# Allegro board 6089-119-RevB_08.brd (continued)
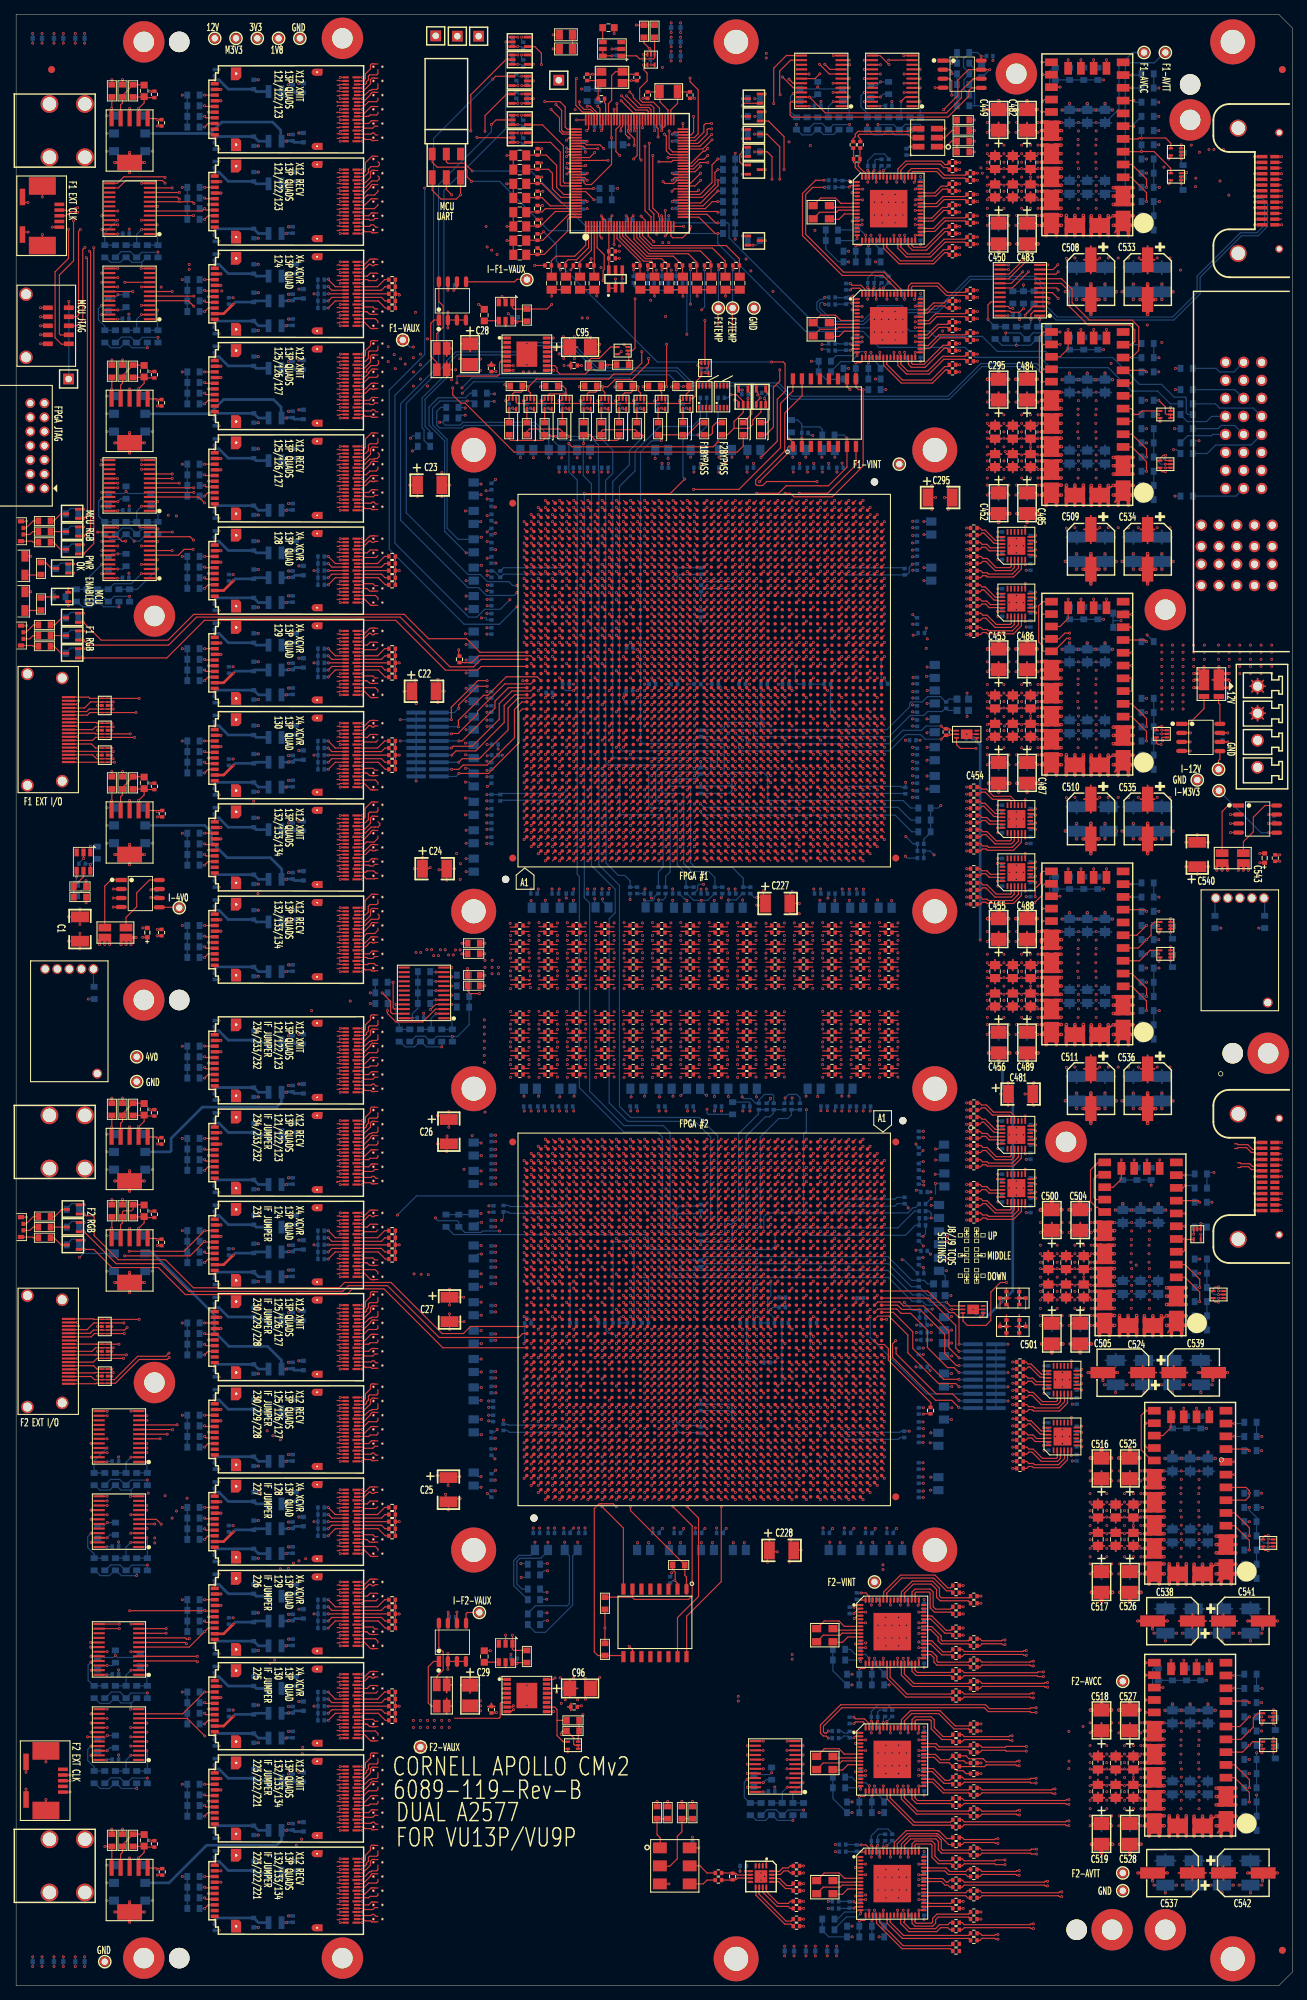
[diagram p0: board, top side]
## Routing (per net, layer and track width the routed paths; a pad name or vN(x,y) marks a point on that pad's centre or on a via; arc(x,y) is an arc through that point) (continued)
  SIG3 w0.083: v1(133.99,111.9) 133.99,112.06 133.8,112.25 127.85,112.25 123.29,107.69 90.69,107.69 90.61,107.6 v1(90.61,107.29)
AC_PF2R_R0_E: length 39.9
  TOP w0.165: U77.AA11 v1(102.39,109.29) ; C400.2 v1(133.99,121.4)
  SIG3 w0.083: v1(133.99,121.4) 133.99,121.71 133.91,121.8 132.9,121.8 123.81,112.71 103.11,112.71 103,112.6 103,110.01 102.68,109.69 102.47,109.69 102.39,109.6 v1(102.39,109.29)
AC_PF2R_R0_F: length 36.5
  TOP w0.165: C402.2 v1(133.99,119.4) ; U77.W11 v1(104.39,109.29)
  SIG3 w0.083: v1(104.39,109.29) 104.39,109.6 104.47,109.69 104.68,109.69 105,110.01 105,111.5 105.2,111.7 124.3,111.7 132.4,119.8 133.91,119.8 133.99,119.71 v1(133.99,119.4)
AC_PF2R_R0_I: length 28.8
  TOP w0.165: U77.N11 v1(110.39,109.29) ; C404.2 v1(133.99,117.4)
  SIG3 w0.083: v1(110.39,109.29) 110.39,109.6 110.47,109.69 123.79,109.69 131.9,117.8 133.91,117.8 133.99,117.71 v1(133.99,117.4)
AC_PF2R_R0_L: length 169.9
  TOP w0.165: U77.BD13 v1(78.61,107.29) ; C232.2 v1(111.01,13.4)
  SIG4 w0.083: v1(78.61,107.29) 78.61,107.6 78.69,107.69 78.81,107.69 79,107.49 79,97 79.3,96.7 122.9,96.7 126.29,93.31 126.29,67.86 131.75,62.4 131.75,14.45 125.25,7.95 115.8,7.95 110.46,13.29 110.46,13.71 110.54,13.8 110.92,13.8 111.01,13.71 v1(111.01,13.4)
AC_PF2R_R0_N: length 63.1
  TOP w0.165: U77.AY13 v1(82.61,107.29) ; C398.2 v1(133.99,123.4)
  SIG3 w0.083: v1(82.61,107.29) 82.61,107.6 82.69,107.69 82.89,107.69 83.2,107.99 83.2,113.45 83.45,113.7 123.3,113.7 133.4,123.8 133.91,123.8 133.99,123.71 v1(133.99,123.4)
AC_PF2R_R0_P: length 51.4
  TOP w0.165: U77.AT13 v1(86.61,107.29) ; C410.2 v1(133.99,109.9)
  SIG3 w0.083: v1(86.61,107.29) 86.61,107.6 86.69,107.69 86.81,107.69 87.04,107.45 87.04,107.06 87.41,106.69 124.09,106.69 127.7,110.3 133.95,110.3 133.99,110.26 v1(133.99,109.9)
AC_PF2R_R1_B: length 115.2
  TOP w0.165: U77.AL11 v1(91.61,109.29) ; v1(143.4,45.73) 143.06,45.73 142.94,45.61 136.15,45.61 135.86,45.9 C417.2
  SIG4 w0.083: v1(91.61,109.29) 91.61,109.6 91.69,109.69 91.81,109.69 91.99,109.5 91.99,103.01 92.3,102.7 125.4,102.7 132.29,95.81 132.29,76.06 144.29,64.06 144.29,46.05 143.74,45.5 143.63,45.5 v1(143.4,45.73)
AC_PF2R_R1_E: length 107.6
  TOP w0.165: v1(144.82,44.23) 144.06,44.23 143.94,44.11 133.65,44.11 133.36,44.4 C323.2 ; U77.Y13 v1(103.39,107.29)
  SIG4 w0.083: v1(103.39,107.29) 103.39,107.6 103.47,107.69 103.59,107.69 103.79,107.49 103.79,103.96 104.06,103.69 125.91,103.69 133.29,96.31 133.29,76.61 145.49,64.41 145.49,44.19 145.31,44.01 145.05,44.01 v1(144.82,44.23)
AC_PF2R_R1_I: length 100.2
  TOP w0.165: C419.2 135.86,42.9 136.15,42.61 144.94,42.61 145.06,42.73 v1(145.4,42.73) ; U77.M13 v1(111.39,107.29)
  SIG4 w0.083: v1(111.39,107.29) 111.39,107.6 111.47,107.69 111.59,107.69 111.79,107.49 111.79,105.01 112.11,104.69 126.41,104.69 134.29,96.81 134.29,77.76 146.54,65.51 146.54,42.94 146.11,42.5 145.63,42.5 v1(145.4,42.73)
AC_PF2R_R1_L: length 145.9
  TOP w0.165: v1(138.4,20.73) 138.06,20.73 137.94,20.61 133.65,20.61 133.36,20.9 C337.2 ; U77.BC11 v1(79.61,109.29)
  SIG4 w0.083: v1(138.4,20.73) 138.63,20.5 138.74,20.5 138.94,20.7 138.94,47.71 138.44,48.21 138.44,57.41 127.29,68.56 127.29,93.31 122.91,97.69 80.31,97.69 79.99,98.01 79.99,109.5 79.81,109.69 79.69,109.69 79.61,109.6 v1(79.61,109.29)
AC_PF2R_R1_N: length 113
  TOP w0.165: U77.AW11 v1(83.61,109.29) ; C415.2 135.86,48.9 136.15,48.61 138.94,48.61 139.06,48.73 v1(139.4,48.73)
  SIG4 w0.083: v1(83.61,109.29) 83.61,109.6 83.69,109.69 83.81,109.69 83.99,109.5 83.99,99.01 84.31,98.69 123.41,98.69 128.29,93.81 128.29,72.96 139.79,61.46 139.79,49.71 139.82,49.68 139.82,48.59 139.74,48.5 139.63,48.5 v1(139.4,48.73)
AC_PF2R_R1_P: length 118.1
  TOP w0.165: v1(142.4,47.23) 142.06,47.23 141.94,47.11 133.65,47.11 133.36,47.4 C321.2 ; U77.AR11 v1(87.61,109.29)
  SIG4 w0.083: v1(87.61,109.29) 87.61,109.6 87.69,109.69 88.92,109.69 89.04,109.56 89.04,109.55 89.03,109.53 89.03,109.05 89.04,109.04 89.04,102.06 89.44,101.66 122.96,101.66 123,101.7 124.9,101.7 131.24,95.36 131.24,75.31 142.72,63.83 142.72,47.4 142.82,47.31 142.82,47.08 142.74,47 142.63,47 v1(142.4,47.23)
AC_PF2R_X4_R0_CLK: length 28
  TOP w0.165: U77.N19 v1(110.39,101.29) ; C412.2 v1(133.99,107.9)
  SIG3 w0.083: v1(133.99,107.9) 133.99,107.91 133.6,108.3 132.9,108.3 126.29,101.69 110.47,101.69 110.39,101.6 v1(110.39,101.29)
AC_PF2R_X4_R0A: length 153.9
  TOP w0.165: C351.2 v1(135.51,252.4) ; U101.7 143.41,111.15 143.61,110.95 v1(143.71,110.95)
  SIG1 w0.083: v1(143.71,110.95) 143.7,111.21 143.78,111.3 143.9,111.3 144.45,111.3 145.76,112.61 145.76,167.06 148.75,170.05 148.75,174.8 148.06,175.49 148.06,194.94 147.51,195.49 147.51,208.99 146.26,210.24 146.26,245.04 140.04,251.26 136.59,251.26 136.36,251.49 136.36,251.8 136.15,252.01 135.71,252.01 135.71,252 135.59,252 135.51,252.09 v1(135.51,252.4)
  BOTTOM w0.165: R281.2 v1(143.71,110.95)
AC_PF2R_X4_R0B: length 124
  TOP w0.165: v1(143.68,112.95) 143.61,112.95 143.41,113.15 U101.11 ; C313.2 v1(133.01,228.4)
  SIG4 w0.083: v1(143.68,112.95) 143.68,113.21 143.6,113.3 141.8,113.3 137.75,117.35 137.75,155.2 133.24,159.71 133.24,225.91 132.19,226.96 132.19,227.72 132.42,227.95 133,227.95 133.01,227.96 v1(133.01,228.4)
  BOTTOM w0.165: R280.2 v1(143.68,112.95)
AC_PF2R_X12_R0_CLK: length 43
  TOP w0.165: U77.R18 v1(108.39,102.29) ; C406.2 v1(133.99,115.4)
  SIG3 w0.083: v1(108.39,102.29) 108.39,102.6 108.47,102.69 108.59,102.69 108.75,102.53 108.75,101.1 109.19,100.66 128.76,100.66 135.1,107 135.1,112.7 133.11,114.69 133.11,115.41 133.45,115.75 133.9,115.75 133.99,115.66 v1(133.99,115.4)
AC_PF2R_X12_R0A: length 134.3
  TOP w0.165: C305.2 v1(133.01,244.9) ; U100.7 143.41,118.65 143.61,118.45 v1(143.7,118.45)
  SIG1 w0.083: v1(133.01,244.9) 133.01,244.59 133.09,244.5 133.21,244.5 133.21,244.51 133.74,244.51 133.95,244.3 133.95,229.25 135.9,227.3 135.9,216.21 135.91,216.21 135.91,164.49 138.05,162.35 138.05,162.31 138.25,162.1 138.29,162.1 143,157.4 143,152.25 143.35,151.9 143.35,145.85 143.65,145.55 143.65,133 144.7,131.95 144.7,119.51 143.99,118.8 143.78,118.8 143.7,118.71 v1(143.7,118.45)
  BOTTOM w0.165: R279.2 v1(143.7,118.45)
AC_PF2R_X12_R0B: length 116.7
  TOP w0.165: v1(143.7,120.45) 143.61,120.45 143.41,120.65 U100.11 ; C363.2 v1(135.51,229.9)
  SIG4 w0.083: v1(143.7,120.45) 143.7,120.92 143.64,120.98 143.55,120.98 143.38,121.14 142.15,121.14 141.67,121.62 141.67,125.42 141.67,125.42 141.67,135.68 141.1,136.25 141.1,145 139.09,147.01 139.09,158.81 134.49,163.41 134.49,229.04 134.9,229.45 135.2,229.45 135.51,229.76 v1(135.51,229.9)
  BOTTOM w0.165: R278.2 v1(143.7,120.45)
AC_PHQ_CLK_IN: length 4.1
  TOP w0.165: v1(119.11,19.85) 119.8,19.85 120.25,19.4 U91.63
  BOTTOM w0.165: C837.2 118.45,19.9 R338.1 v1(119.11,19.85)
AC_PLHC_CLK_IN: length 4.4
  TOP w0.165: v1(117.98,238.09) 117.98,237.92 117.61,237.92 117.61,237.85 117.62,237.84 117.62,237.77 117.83,237.56 118.13,237.56 118.22,237.65 U87.1
  BOTTOM w0.165: v1(117.98,238.09) 117.24,238.09 R355.1 115.91,237.85 115.86,237.9 C848.2
AC_PNO_F2_TCDS40_CLK: length 34.2
  TOP w0.165: C425.2 v1(136.01,31.4) ; U89.1 118.41,53.65 v1(118.11,53.35)
  SIG1 w0.083: v1(136.01,31.4) 136.01,30.84 135.92,30.75 134.54,30.75 133.76,31.54 133.76,35.84 119.36,50.24 119.36,52.54 118.79,53.11 118.41,53.11 118.31,53 118.19,53 118.11,53.09 v1(118.11,53.35)
  BOTTOM w0.165: R350.1 v1(118.11,53.35)
AC_PR0_FP_CLK: length 3.2
  TOP w0.165: U87.14 117.86,231.15 117.83,231.12 v1(117.61,231.35)
  BOTTOM w0.165: v1(117.61,231.35) R356.1 115.91,231.35 115.86,231.4 C850.2
AC_PR0_OSC: length 4.6
  TOP w0.165: U86.64 119.25,255.25 118.29,256.21 118.29,256.7 118.05,256.94 R139.2 118.05,258.9 C261.2
AC_PR0A_FB: length 3.5
  TOP w0.165: v1(120.95,255.79) 120.75,255.59 U86.61
  BOTTOM w0.165: v1(120.95,255.79) R333.1 121.05,256.5 121.05,257.18 121.22,257.35 C811.2
AC_PR0B_FB: length 3.5
  TOP w0.165: v1(120.95,239.29) 120.75,239.09 U87.61
  BOTTOM w0.165: v1(120.95,239.29) R334.1 121.05,240 121.05,240.68 121.22,240.85 C812.2
AC_PR1_FP_CLK: length 3.2
  TOP w0.165: U91.14 118.31,11.65 v1(118.11,11.85)
  BOTTOM w0.165: C843.2 117.45,11.9 R353.1 v1(118.11,11.85)
AC_PR1A_FB: length 3.5
  TOP w0.165: v1(121.45,19.79) 121.25,19.59 U91.61
  BOTTOM w0.165: v1(121.45,19.79) R331.1 121.45,21.08 121.72,21.35 C810.2
AC_PR1B_FB: length 3.5
  TOP w0.165: v1(121.45,37.29) 121.25,37.09 U90.61
  BOTTOM w0.165: C809.2 121.72,38.85 121.45,38.58 R330.1 v1(121.45,37.29)
AC_PSYN_R0A_IN1: length 3.2
  TOP w0.165: U86.1 117.65,254.15 v1(117.45,254.35)
  BOTTOM w0.165: C846.2 116.45,254.4 R358.1 v1(117.45,254.35)
AC_PSYN_R0B_IN0: length 30.1
  TOP w0.165: v1(117.61,239.85) 117.85,239.61 119.09,239.61 119.75,238.95 U87.63 ; C297.2 v1(133.01,256.9)
  SIG2 w0.083: v1(117.61,239.85) 117.61,239.59 117.69,239.5 118.41,239.5 125,246.1 126.8,246.1 130.99,250.29 130.99,254.89 132.6,256.5 132.92,256.5 133.01,256.59 v1(133.01,256.9)
  BOTTOM w0.165: R354.1 v1(117.61,239.85)
AC_PSYN_R1B_IN0: length 40.7
  TOP w0.165: C437.2 v1(136.01,10.4) ; v1(118.11,37.85) 118.35,37.61 119.59,37.61 120.25,36.95 U90.63
  SIG1 w0.083: v1(136.01,10.4) 136.01,10.09 135.92,10 135.15,10 135.01,10.14 135.01,16.44 119.21,32.24 119.21,37.09 118.8,37.5 118.31,37.5 118.11,37.7 v1(118.11,37.85)
  BOTTOM w0.165: R351.1 v1(118.11,37.85)
AC_PSYN_R1C_IN0: length 59.3
  TOP w0.165: C343.2 v1(133.51,11.9) ; v1(119.11,55.35) 119.8,55.35 120.25,54.9 U89.63
  SIG1 w0.083: v1(119.11,55.35) 119.5,54.96 119.96,54.96 120.04,55.04 120.04,55.36 119.36,56.04 118.59,56.04 116.91,54.36 116.91,30.94 120.34,27.51 120.74,27.51 132.61,15.64 132.61,11.74 132.85,11.5 133.42,11.5 133.51,11.59 v1(133.51,11.9)
  BOTTOM w0.165: R337.1 v1(119.11,55.35)
AC_PUTIL: length 4.2
  TOP w0.165: U82.7 102.81,15.15 102.77,15.19 101.7,15.19 101.46,14.95 R135.2 100.95,14.9 C192.2
BC_NF1_TCDS_RECOV_CLK: length 193.4
  TOP w0.165: U75.BK26 v1(121.39,184.29) ; v1(143.79,39.17) 143.06,39.17 142.94,39.05 137.2,39.05 136.65,39.6 116.23,39.6 113.38,36.75 113.38,35.6 113.8,35.19 114.2,35.19 v1(114.49,34.9)
  SIG1 w0.083: v1(121.39,184.29) 121.08,184.29 121,184.37 121,184.49 121.15,184.64 122.75,184.64 125.79,181.6 125.79,134.71 131.62,128.88 131.62,125.52 131.29,125.19 131.29,106.31 132.29,105.31 132.29,73.46 143.79,61.96 143.79,40.3 144.37,39.72 144.37,39.02 144.29,38.94 144.02,38.94 v1(143.79,39.17)
  BOTTOM w0.165: C842.1 v1(114.49,34.9)
BC_NF1L_R0_1: length 7.6
  TOP w0.165: C371.1 135.95,199.4 136.25,199.1 136.89,199.1 137.07,198.92 140.43,198.92 141.29,199.78 141.29,200.22 141.25,200.26 U96.4
BC_NF1L_R0_2: length 6.5
  TOP w0.165: U96.2 140.25,200.26 140.29,200.22 140.29,199.99 140.13,199.82 138.17,199.82 136.87,201.12 136.28,201.12 136,201.4 C369.1
BC_NF1L_R0_3: length 3.9
  TOP w0.165: C367.1 135.86,203.4 136.15,203.11 136.84,203.11 137.34,202.61 138.32,202.61 138.36,202.65 U96.22
BC_NF1L_R0_4: length 4.3
  TOP w0.165: C365.1 135.86,205.4 136.15,205.11 136.59,205.11 138.03,203.67 138.43,203.67 138.45,203.65 U96.20
BC_NF1L_R0_5: length 7.6
  TOP w0.165: U97.4 141.25,192.26 141.29,192.22 141.29,191.78 140.43,190.92 137.07,190.92 136.89,191.1 136.25,191.1 135.95,191.4 C379.1
BC_NF1L_R0_6: length 6.5
  TOP w0.165: U97.2 140.25,192.26 140.29,192.22 140.29,191.99 140.13,191.82 138.17,191.82 136.87,193.12 136.28,193.12 136,193.4 C377.1
BC_NF1L_R0_7: length 3.9
  TOP w0.165: U97.22 138.36,194.65 138.32,194.61 137.34,194.61 136.84,195.11 136.15,195.11 135.86,195.4 C375.1
BC_NF1L_R0_8: length 4.3
  TOP w0.165: C373.1 135.86,197.4 136.15,197.11 136.59,197.11 138.03,195.67 138.43,195.67 138.45,195.65 U97.20
BC_NF1R_R0_1: length 7.6
  TOP w0.165: C389.1 135.95,160.9 136.25,160.6 136.89,160.6 137.07,160.42 140.43,160.42 141.29,161.28 141.29,161.72 141.25,161.76 U98.4
BC_NF1R_R0_2: length 6.5
  TOP w0.165: U98.2 140.25,161.76 140.29,161.72 140.29,161.49 140.13,161.32 138.17,161.32 136.87,162.62 136.28,162.62 136,162.9 C387.1
BC_NF1R_R0_3: length 3.9
  TOP w0.165: U98.22 138.36,164.15 138.32,164.11 137.34,164.11 136.84,164.61 136.15,164.61 135.86,164.9 C385.1
BC_NF1R_R0_4: length 4.3
  TOP w0.165: C383.1 135.86,166.9 136.15,166.61 136.59,166.61 138.03,165.17 138.43,165.17 138.45,165.15 U98.20
BC_NF1R_R0_5: length 6.8
  TOP w0.165: C381.1 135.8,168.9 136.09,168.61 136.78,168.61 137.79,167.6 140.19,167.6 140.75,167.04 U98.16
BC_NF1R_R0_6: length 7.6
  TOP w0.165: C395.1 135.95,153.4 136.25,153.1 136.89,153.1 137.07,152.92 140.43,152.92 141.29,153.78 141.29,154.22 141.25,154.26 U99.4
BC_NF1R_R0_7: length 6.5
  TOP w0.165: U99.2 140.25,154.26 140.29,154.22 140.29,153.99 140.13,153.82 138.17,153.82 136.87,155.12 136.28,155.12 136,155.4 C393.1
BC_NF1R_R0_8: length 3.9
  TOP w0.165: C391.1 135.86,157.4 136.15,157.11 136.84,157.11 137.34,156.61 138.32,156.61 138.36,156.65 U99.22
BC_NF2L_R0_1: length 7.6
  TOP w0.165: U103.4 147.75,82.76 147.79,82.72 147.79,82.28 146.93,81.42 143.57,81.42 143.39,81.6 142.75,81.6 142.45,81.9 C471.1
BC_NF2L_R0_2: length 6.5
  TOP w0.165: C469.1 142.5,83.9 142.78,83.62 143.37,83.62 144.67,82.32 146.63,82.32 146.79,82.49 146.79,82.72 146.75,82.76 U103.2
BC_NF2L_R0_3: length 3.9
  TOP w0.165: U103.22 144.86,85.15 144.82,85.11 143.84,85.11 143.34,85.61 142.65,85.61 142.36,85.9 C467.1
BC_NF2L_R0_4: length 4.3
  TOP w0.165: U103.20 144.95,86.15 144.93,86.17 144.53,86.17 143.09,87.61 142.65,87.61 142.36,87.9 C465.1
BC_NF2L_R0_5: length 7.6
  TOP w0.165: U104.4 147.75,74.76 147.79,74.72 147.79,74.28 146.93,73.42 143.57,73.42 143.39,73.6 142.75,73.6 142.45,73.9 C479.1
BC_NF2L_R0_6: length 6.5
  TOP w0.165: C477.1 142.5,75.9 142.78,75.62 143.37,75.62 144.67,74.32 146.63,74.32 146.79,74.49 146.79,74.72 146.75,74.76 U104.2
BC_NF2L_R0_7: length 3.9
  TOP w0.165: U104.22 144.86,77.15 144.82,77.11 143.84,77.11 143.34,77.61 142.65,77.61 142.36,77.9 C475.1
BC_NF2L_R0_8: length 4.3
  TOP w0.165: U104.20 144.95,78.15 144.93,78.17 144.53,78.17 143.09,79.61 142.65,79.61 142.36,79.9 C473.1
BC_NF2R_R0_1: length 7.6
  TOP w0.165: U100.4 141.25,117.26 141.29,117.22 141.29,116.78 140.43,115.92 137.07,115.92 136.89,116.1 136.25,116.1 135.95,116.4 C405.1
BC_NF2R_R0_2: length 6.5
  TOP w0.165: U100.2 140.25,117.26 140.29,117.22 140.29,116.99 140.13,116.82 138.17,116.82 136.87,118.12 136.28,118.12 136,118.4 C403.1
BC_NF2R_R0_3: length 3.9
  TOP w0.165: C401.1 135.86,120.4 136.15,120.11 136.84,120.11 137.34,119.61 138.32,119.61 138.36,119.65 U100.22
BC_NF2R_R0_4: length 4.3
  TOP w0.165: U100.20 138.45,120.65 138.43,120.67 138.03,120.67 136.59,122.11 136.15,122.11 135.86,122.4 C399.1
BC_NF2R_R0_5: length 6.8
  TOP w0.165: C397.1 135.8,124.4 136.09,124.11 136.78,124.11 137.79,123.1 140.19,123.1 140.75,122.54 U100.16
BC_NF2R_R0_6: length 7.6
  TOP w0.165: U101.4 141.25,109.76 141.29,109.72 141.29,109.28 140.43,108.42 137.07,108.42 136.89,108.6 136.25,108.6 135.95,108.9 C411.1
BC_NF2R_R0_7: length 6.5
  TOP w0.165: U101.2 140.25,109.76 140.29,109.72 140.29,109.49 140.13,109.32 138.17,109.32 136.87,110.62 136.28,110.62 136,110.9 C409.1
BC_NF2R_R0_8: length 3.9
  TOP w0.165: U101.22 138.36,112.15 138.32,112.11 137.34,112.11 136.84,112.61 136.15,112.61 135.86,112.9 C407.1
BC_NHQ_CLK_IN: length 314.4
  TOP w0.165: P2.17 v1(178.38,251.32)
  SIG2 w0.083: v1(178.38,251.32) 178.38,251.54 178.47,251.62 178.58,251.62 178.84,251.36 178.84,243.54 172.16,236.86 170.86,236.86 164.12,230.12 164.12,191.02 163.45,190.35 163.45,60.05 163.05,59.65 163.05,49.92 163.04,49.92 163.04,47.11 163.55,46.6 163.55,25.3 163.1,24.85 163.1,22.55 158.71,18.16 147.16,18.16 136.86,7.86 110.84,7.86 109.41,9.29 109.41,17.26 111.49,19.34 115.15,19.34 115.49,19 v1(115.49,18.9)
  BOTTOM w0.165: C838.1 v1(115.49,18.9)
BC_NLHC_CLK_IN: length 84.9
  TOP w0.165: P2.18 v1(174.58,251.32)
  BOTTOM w0.165: C849.1 v1(113.99,236.9) 113.7,237.19 113.47,237.19 113.3,237.03 113.3,236.37 115.16,234.52 119.33,234.52 121.53,236.72 124.87,236.72 125.42,236.17 126.87,236.17 126.93,236.23 129.79,236.23 134.43,240.87 143.67,240.87 145.17,239.37 145.17,236.97 145.19,236.96 145.19,236.71 146.77,235.13 163.04,235.13 166.48,238.57 166.48,240.9 172.58,247 174.91,247 175.98,248.07 175.98,250.97 175.52,251.43 174.68,251.43 v1(174.58,251.32)
BC_NR0_FP_CLK: length 158.7
  TOP w0.165: J2.2 6.96,250.2 7.15,250.01 7.23,250.01 7.64,250.42 8.21,250.42 8.33,250.54 v1(8.67,250.54)
  SIG2 w0.083: v1(113.6,230.59) 113.85,230.84 114.29,230.84 114.51,231.05 114.51,231.34 110.7,235.15 110.7,267.95 106.59,272.06 105.98,272.06 v1(105.75,272.28)
  SIG3 w0.083: v1(105.75,272.28) 105.52,272.06 104.96,272.06 104.68,271.78 88.59,271.78 88.21,271.4 67.45,271.4 66.64,272.21 28.37,272.21 9.69,253.53 9.69,250.99 9.02,250.31 8.9,250.31 v1(8.67,250.54)
  BOTTOM w0.165: v1(113.6,230.59) 114.36,230.59 C851.1
BC_NR0_OSC: length 9.7
  TOP w0.165: U92.5 126.19,260.4 125.71,260.88 118.87,260.88 118.71,260.72 118.71,260.55 119,260.26 C262.1
BC_NR0A_0: length 12.1
  TOP w0.165: U86.23 122.25,245.26 122.29,245.22 122.29,244.81 124.47,242.63 129.33,242.63 130.9,244.2 131.25,244.2 C306.1
BC_NR0A_1: length 12.4
  TOP w0.165: U86.27 124.25,245.26 124.29,245.22 124.29,244.81 125.5,243.6 128.89,243.6 130.97,245.68 133.77,245.68 C356.1
BC_NR0A_2: length 8.1
  TOP w0.165: C304.1 131.27,247.18 130.97,247.18 128.34,244.55 126.34,244.55 125.79,245.1 125.79,245.22 125.75,245.26 U86.30
BC_NR0A_3: length 7.4
  TOP w0.165: U86.34 128.14,247.15 128.18,247.19 129.49,247.19 130.98,248.68 133.77,248.68 C354.1
BC_NR0A_4: length 4.8
  TOP w0.165: C302.1 131.3,250.15 130.75,250.15 129.25,248.65 U86.37
BC_NR0A_5: length 7.1
  TOP w0.165: C352.1 133.77,251.68 130.83,251.68 129.84,250.69 128.18,250.69 128.14,250.65 U86.41
BC_NR0A_6: length 4.6
  TOP w0.165: C300.1 131.3,253.15 130.6,253.15 129.64,252.19 128.18,252.19 128.14,252.15 U86.44
BC_NR0A_7: length 9
  TOP w0.165: U86.50 126.25,255.51 126.37,255.63 129.77,255.63 130.7,254.7 133.75,254.7 C350.1
BC_NR0A_8: length 8.5
  TOP w0.165: C298.1 131.27,256.18 130.77,256.18 130.27,256.68 125.58,256.68 124.71,255.81 124.71,255.58 124.75,255.54 U86.53
BC_NR0A_FB: length 1.9
  TOP w0.165: U86.58 v1(122.25,255.75)
  BOTTOM w0.165: v1(122.25,255.75) 122.95,256.45 C806.1
BC_NR0B_1: length 12.3
  TOP w0.165: C314.1 131.25,227.7 131.04,227.7 129.17,225.83 124.77,225.83 122.29,228.31 122.29,228.72 122.25,228.76 U87.23
BC_NR0B_2: length 12.4
  TOP w0.165: C364.1 133.77,229.18 130.78,229.18 128.7,227.1 125.5,227.1 124.29,228.31 124.29,228.72 124.25,228.76 U87.27
BC_NR0B_3: length 8.2
  TOP w0.165: C312.1 131.22,230.73 130.83,230.73 128.15,228.05 126.2,228.05 125.79,228.46 125.79,228.72 125.75,228.76 U87.30
BC_NR0B_4: length 7.4
  TOP w0.165: U87.34 128.14,230.65 128.18,230.69 128.74,230.69 130.25,232.2 133.75,232.2 C362.1
BC_NR0B_5: length 4.9
  TOP w0.165: C310.1 131.27,233.68 130.08,233.68 128.59,232.19 128.18,232.19 128.14,232.15 U87.37
BC_NR0B_6: length 7.1
  TOP w0.165: C360.1 133.77,235.18 129.78,235.18 128.79,234.19 128.18,234.19 128.14,234.15 U87.41
BC_NR0B_7: length 4.7
  TOP w0.165: U87.44 128.14,235.65 128.18,235.69 128.49,235.69 129.49,236.69 130.85,236.69 131.14,236.4 C308.1
BC_NR0B_8: length 9.5
  TOP w0.165: U87.50 126.25,239.04 126.21,239.08 126.21,239.31 126.37,239.48 129.83,239.48 131.13,238.18 133.77,238.18 C358.1
BC_NR0B_FB: length 1.9
  TOP w0.165: U87.58 v1(122.25,239.25)
  BOTTOM w0.165: v1(122.25,239.25) 122.95,239.95 C807.1
BC_NR1_FP_CLK: length 124
  TOP w0.165: J3.2 v1(7.6,29.7)
  SIG3 w0.083: v1(7.6,29.7) 7.6,29.49 7.52,29.4 7.05,29.4 6.65,29 6.65,26.3 26.45,6.5 105.65,6.5 109.35,10.2 111.25,10.2 112.35,11.3 114.41,11.3 114.49,11.21 v1(114.49,10.9)
  BOTTOM w0.165: C844.1 v1(114.49,10.9)
BC_NR1A_0: length 13.9
  TOP w0.165: C440.1 134.27,6.68 124.92,6.68 122.79,8.81 122.79,9.22 122.75,9.26 U91.23
BC_NR1A_1: length 9.4
  TOP w0.165: C346.1 131.64,7.9 131.35,8.19 130.33,8.19 129.77,7.63 125.83,7.63 124.68,8.78 124.68,9.88 U91.27
BC_NR1A_2: length 10.5
  TOP w0.165: U91.30 126.25,9.26 126.29,9.22 126.29,8.81 126.7,8.4 129.21,8.4 129.62,8.81 129.62,9.33 129.97,9.68 134.27,9.68 C438.1
BC_NR1A_3: length 4.2
  TOP w0.165: C344.1 131.76,11.19 128.68,11.19 128.64,11.15 U91.34
BC_NR1A_4: length 6.7
  TOP w0.165: C436.1 134.14,12.4 133.85,12.69 128.68,12.69 128.64,12.65 U91.37
BC_NR1A_5: length 4.4
  TOP w0.165: C342.1 131.64,13.9 131.35,14.19 130.94,14.19 130.44,14.69 128.68,14.69 128.64,14.65 U91.41
BC_NR1A_6: length 6.9
  TOP w0.165: U91.44 128.64,16.15 128.68,16.19 130.91,16.19 131.41,15.69 133.85,15.69 134.14,15.4 C434.1
BC_NR1A_7: length 8.7
  TOP w0.165: C340.1 131.75,17.2 130,17.2 129.1,18.1 129.1,19.81 128.93,19.98 126.87,19.98 126.71,19.81 126.71,19.58 126.75,19.54 U91.50
BC_NR1A_8: length 12.3
  TOP w0.165: C432.1 134.25,18.7 130.45,18.7 130,19.15 130,20.35 129.65,20.7 126.1,20.7 125.21,19.81 125.21,19.58 125.25,19.54 U91.53
BC_NR1A_9: length 10.2
  TOP w0.165: U91.55 124.25,19.54 124.21,19.58 124.21,20.02 125.62,21.43 129.78,21.43 129.8,21.41 129.94,21.41 130.9,20.45 131.46,19.9 C338.1
BC_NR1A_10: length 13.5
  TOP w0.165: C348.1 131.72,5.23 124.87,5.23 121.29,8.81 121.29,9.22 121.25,9.26 U91.20
BC_NR1A_FB: length 1.9
  TOP w0.165: U91.58 v1(122.75,19.75)
  BOTTOM w0.165: v1(122.75,19.75) 123.45,20.45 C803.1
BC_NR1B_0: length 12
  TOP w0.165: C336.1 131.82,22.63 126.47,22.63 122.79,26.31 122.79,26.72 122.75,26.76 U90.23
BC_NR1B_1: length 11.9
  TOP w0.165: U90.27 124.75,26.76 124.79,26.72 124.79,26.31 126.9,24.2 134.25,24.2 C430.1
BC_NR1B_2: length 7.3
  TOP w0.165: C334.1 131.77,25.68 126.92,25.68 126.29,26.31 126.29,26.72 126.25,26.76 U90.30
BC_NR1B_3: length 7.4
  TOP w0.165: U90.34 128.64,28.65 128.68,28.69 129.17,28.69 130.68,27.18 134.27,27.18 C428.1
BC_NR1B_4: length 4.9
  TOP w0.165: C332.1 131.92,28.53 130.78,28.53 129.12,30.19 128.68,30.19 128.64,30.15 U90.37
BC_NR1B_5: length 7.6
  TOP w0.165: U90.41 128.64,32.15 128.68,32.19 129.42,32.19 130.18,31.43 131.52,31.43 C330.1 132.65,30.3 133.5,30.3 133.9,29.9 C426.1
BC_NR1B_6: length 6.9
  TOP w0.165: U90.44 128.64,33.65 128.68,33.69 129.51,33.69 129.95,33.25 134.2,33.25 C424.1
BC_NR1B_7: length 8.3
  TOP w0.165: U90.50 126.75,37.04 126.71,37.08 126.71,37.31 126.87,37.48 128.83,37.48 129,37.31 129,36.2 130.5,34.7 131.75,34.7 C328.1
BC_NR1B_8: length 11.8
  TOP w0.165: C422.1 134.25,36.2 132.2,36.2 130.05,38.35 126.25,38.35 125.21,37.31 125.21,37.08 125.25,37.04 U90.53
BC_NR1B_FB: length 1.9
  TOP w0.165: U90.58 v1(122.75,37.25)
  BOTTOM w0.165: C802.1 123.45,37.95 v1(122.75,37.25)
BC_NR1C_0: length 12.6
  TOP w0.165: U89.23 122.75,44.76 122.79,44.72 122.79,43.32 125.43,40.68 131.77,40.68 C326.1
BC_NR1C_1: length 12.2
  TOP w0.165: U89.27 124.75,44.76 124.79,44.72 124.79,43.77 126.38,42.18 134.27,42.18 C420.1
BC_NR1C_2: length 7.3
  TOP w0.165: U89.30 126.25,44.76 126.29,44.72 126.29,44.31 126.87,43.73 131.72,43.73 C324.1
BC_NR1C_3: length 7.7
  TOP w0.165: U89.34 128.64,46.65 128.68,46.69 128.91,46.69 129.38,46.22 129.38,45.59 129.79,45.18 134.27,45.18 C418.1
BC_NR1C_4: length 4.9
  TOP w0.165: U89.37 128.64,48.15 128.68,48.19 128.91,48.19 130.47,46.63 131.82,46.63 C322.1
BC_NR1C_5: length 7.9
  TOP w0.165: U89.41 128.64,50.15 128.68,50.19 128.91,50.19 129.98,49.12 129.98,48.59 130.39,48.18 134.27,48.18 C416.1
BC_NR1C_6: length 5.1
  TOP w0.165: C320.1 131.77,49.68 130.92,49.68 128.91,51.69 128.68,51.69 128.64,51.65 U89.44
BC_NR1C_7: length 8.9
  TOP w0.165: C318.1 131.8,52.65 129.45,52.65 128.85,53.25 128.85,55.31 128.68,55.48 126.87,55.48 126.71,55.31 126.71,55.08 126.75,55.04 U89.50
BC_NR1C_8: length 12.6
  TOP w0.165: C414.1 134.2,54.25 130.25,54.25 129.75,54.75 129.75,55.85 129,56.6 126.5,56.6 125.21,55.31 125.21,55.08 125.25,55.04 U89.53
BC_NR1C_9: length 12.1
  TOP w0.165: U89.58 122.75,55.04 122.71,55.08 122.71,55.31 124.85,57.45 129.35,57.45 131.15,55.65 131.8,55.65 C316.1
BC_NSYN_R0A_INA: length 26.6
  TOP w0.165: U87.53 124.75,239.05 122.35,241.45 116.65,241.45 111.3,246.8 111.3,252.4 112.3,253.4 v1(113.95,253.4)
  BOTTOM w0.165: C847.1 v1(113.95,253.4)
BC_NUTIL: length 4
  TOP w0.165: C191.1 97.4,15.9 96.4,16.9 U71.5
BC_NUTIL_0: length 7.5
  TOP w0.165: C235.1 109.27,9.12 108.53,9.12 104.71,12.94 104.71,13.17 104.75,13.21 U82.10
BC_NUTIL_1: length 5.2
  TOP w0.165: U82.12 105.75,13.3 107.44,11.61 108.85,11.61 109.14,11.9 C233.1
BC_NUTIL_2: length 3.6
  TOP w0.165: U82.14 107.19,15.15 107.23,15.11 107.64,15.11 108.63,14.12 109.27,14.12 C231.1
BC_NUTIL_3: length 3.4
  TOP w0.165: C229.1 109.14,16.9 108.85,16.61 108.07,16.61 107.57,16.11 107.23,16.11 107.19,16.15 U82.16
BC_PF1_TCDS_RECOV_CLK: length 193.1
  TOP w0.165: U75.BJ26 v1(120.39,184.29) ; v1(114.49,35.9) 114.2,35.61 113.97,35.61 113.8,35.77 113.8,36.58 116.41,39.18 136.48,39.18 137.03,38.63 142.94,38.63 143.06,38.51 v1(143.79,38.51)
  SIG1 w0.083: v1(143.79,38.51) 144.01,38.73 144.38,38.73 144.58,38.93 144.58,39.81 144,40.39 144,62.05 132.5,73.55 132.5,105.4 131.5,106.4 131.5,125.1 131.83,125.43 131.83,128.96 126,134.8 126,181.69 122.84,184.85 121.06,184.85 120.79,184.58 120.79,184.37 120.7,184.29 v1(120.39,184.29)
  BOTTOM w0.165: C841.1 v1(114.49,35.9)
BC_PF1L_R0_1: length 8.3
  TOP w0.165: U96.5 141.75,200.26 141.71,200.22 141.71,199.61 140.6,198.5 136.9,198.5 136.72,198.68 136.23,198.68 135.95,198.4 C372.1
